# KiCad board OLD_PCB.kicad_pcb (continued)
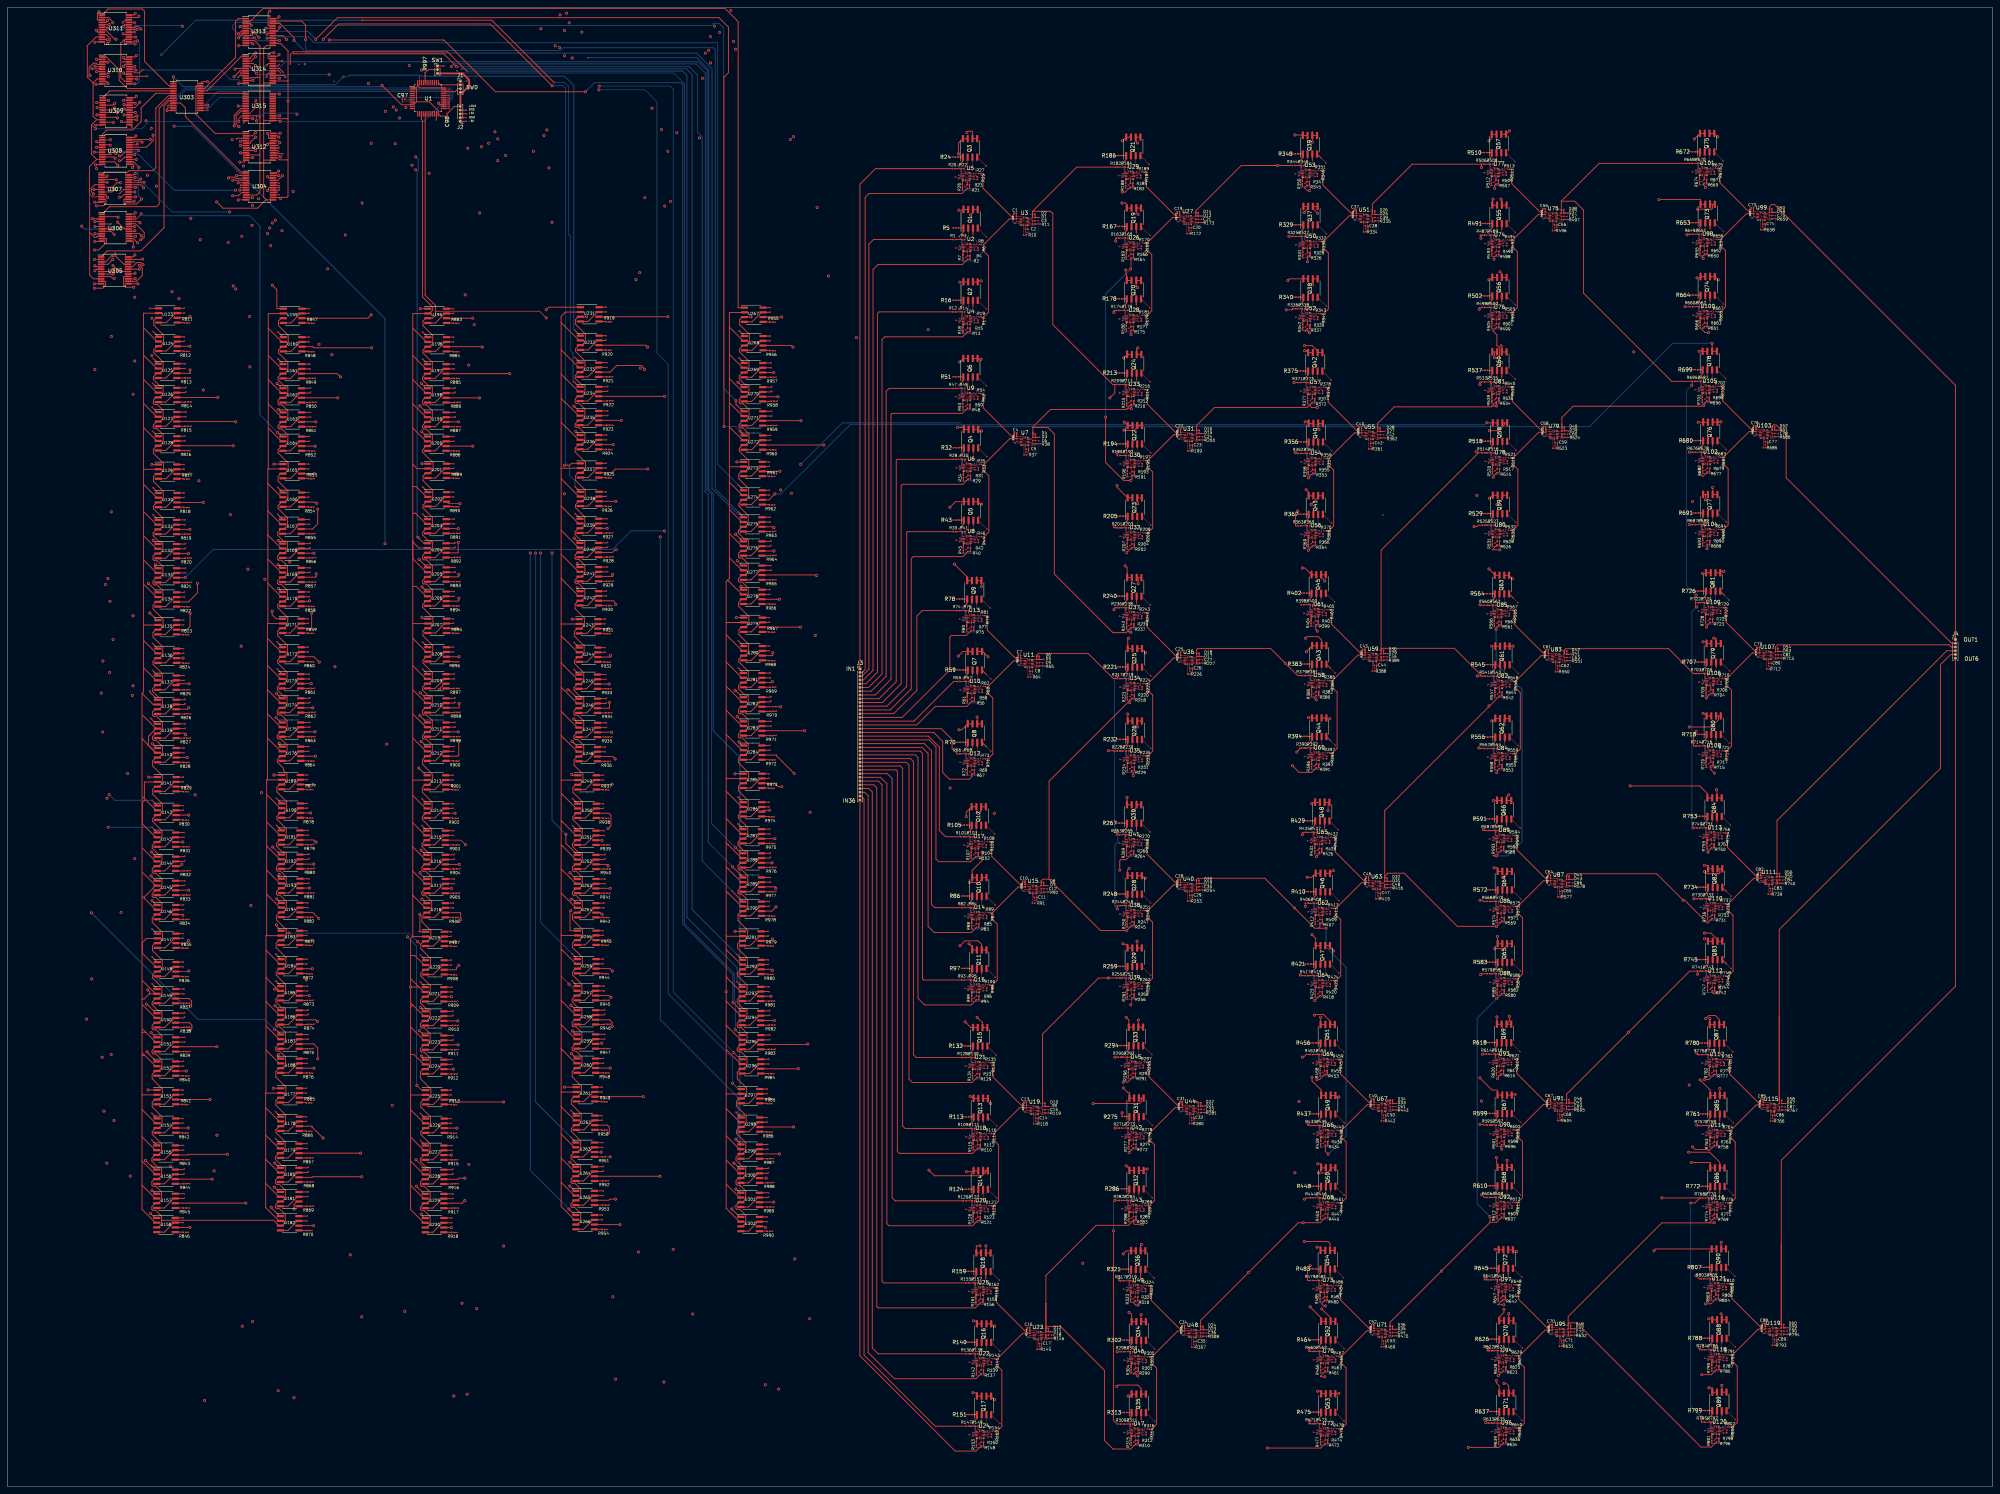
[diagram p0: board, top side]
## Nets (continued)
Net-(Q17B-G2): Q17.4 R150.2 U24.7
Net-(Q17B-S2): Q17.3 R152.2 U24.11
Net-(Q18A-G1): Q18.2 R157.2 U25.14
Net-(Q18A-S1): Q18.1 R159.2 U25.4
Net-(Q18B-G2): Q18.4 R158.2 U25.7
Net-(Q18B-S2): Q18.3 R160.2 U25.11
Net-(Q19A-G1): Q19.2 R165.2 U26.14
Net-(Q19A-S1): Q19.1 R167.2 U26.4
Net-(Q19B-G2): Q19.4 R166.2 U26.7
Net-(Q19B-S2): Q19.3 R168.2 U26.11
Net-(Q20A-G1): Q20.2 R176.2 U28.14
Net-(Q20A-S1): Q20.1 R178.2 U28.4
Net-(Q20B-G2): Q20.4 R177.2 U28.7
Net-(Q20B-S2): Q20.3 R179.2 U28.11
Net-(Q21A-G1): Q21.2 R184.2 U29.14
Net-(Q21A-S1): Q21.1 R186.2 U29.4
Net-(Q21B-G2): Q21.4 R185.2 U29.7
Net-(Q21B-S2): Q21.3 R187.2 U29.11
Net-(Q22A-G1): Q22.2 R192.2 U30.14
Net-(Q22A-S1): Q22.1 R194.2 U30.4
Net-(Q22B-G2): Q22.4 R193.2 U30.7
Net-(Q22B-S2): Q22.3 R195.2 U30.11
Net-(Q23A-G1): Q23.2 R203.2 U32.14
Net-(Q23A-S1): Q23.1 R205.2 U32.4
Net-(Q23B-G2): Q23.4 R204.2 U32.7
Net-(Q23B-S2): Q23.3 R206.2 U32.11
Net-(Q24A-G1): Q24.2 R211.2 U33.14
Net-(Q24A-S1): Q24.1 R213.2 U33.4
Net-(Q24B-G2): Q24.4 R212.2 U33.7
Net-(Q24B-S2): Q24.3 R214.2 U33.11
Net-(Q25A-G1): Q25.2 R219.2 U34.14
Net-(Q25A-S1): Q25.1 R221.2 U34.4
Net-(Q25B-G2): Q25.4 R220.2 U34.7
Net-(Q25B-S2): Q25.3 R222.2 U34.11
Net-(Q26A-G1): Q26.2 R230.2 U35.14
Net-(Q26A-S1): Q26.1 R232.2 U35.4
Net-(Q26B-G2): Q26.4 R231.2 U35.7
Net-(Q26B-S2): Q26.3 R233.2 U35.11
Net-(Q27A-G1): Q27.2 R238.2 U37.14
Net-(Q27A-S1): Q27.1 R240.2 U37.4
Net-(Q27B-G2): Q27.4 R239.2 U37.7
Net-(Q27B-S2): Q27.3 R241.2 U37.11
Net-(Q28A-G1): Q28.2 R246.2 U38.14
Net-(Q28A-S1): Q28.1 R248.2 U38.4
Net-(Q28B-G2): Q28.4 R247.2 U38.7
Net-(Q28B-S2): Q28.3 R249.2 U38.11
Net-(Q29A-G1): Q29.2 R257.2 U39.14
Net-(Q29A-S1): Q29.1 R259.2 U39.4
Net-(Q29B-G2): Q29.4 R258.2 U39.7
Net-(Q29B-S2): Q29.3 R260.2 U39.11
Net-(Q30A-G1): Q30.2 R265.2 U41.14
Net-(Q30A-S1): Q30.1 R267.2 U41.4
Net-(Q30B-G2): Q30.4 R266.2 U41.7
Net-(Q30B-S2): Q30.3 R268.2 U41.11
Net-(Q31A-G1): Q31.2 R273.2 U42.14
Net-(Q31A-S1): Q31.1 R275.2 U42.4
Net-(Q31B-G2): Q31.4 R274.2 U42.7
Net-(Q31B-S2): Q31.3 R276.2 U42.11
Net-(Q32A-G1): Q32.2 R284.2 U43.14
Net-(Q32A-S1): Q32.1 R286.2 U43.4
Net-(Q32B-G2): Q32.4 R285.2 U43.7
Net-(Q32B-S2): Q32.3 R287.2 U43.11
Net-(Q33A-G1): Q33.2 R292.2 U45.14
Net-(Q33A-S1): Q33.1 R294.2 U45.4
Net-(Q33B-G2): Q33.4 R293.2 U45.7
Net-(Q33B-S2): Q33.3 R295.2 U45.11
Net-(Q34A-G1): Q34.2 R300.2 U46.14
Net-(Q34A-S1): Q34.1 R302.2 U46.4
Net-(Q34B-G2): Q34.4 R301.2 U46.7
Net-(Q34B-S2): Q34.3 R303.2 U46.11
Net-(Q35A-G1): Q35.2 R311.2 U47.14
Net-(Q35A-S1): Q35.1 R313.2 U47.4
Net-(Q35B-G2): Q35.4 R312.2 U47.7
Net-(Q35B-S2): Q35.3 R314.2 U47.11
Net-(Q36A-G1): Q36.2 R319.2 U49.14
Net-(Q36A-S1): Q36.1 R321.2 U49.4
Net-(Q36B-G2): Q36.4 R320.2 U49.7
Net-(Q36B-S2): Q36.3 R322.2 U49.11
Net-(Q37A-G1): Q37.2 R327.2 U50.14
Net-(Q37A-S1): Q37.1 R329.2 U50.4
Net-(Q37B-G2): Q37.4 R328.2 U50.7
Net-(Q37B-S2): Q37.3 R330.2 U50.11
Net-(Q38A-G1): Q38.2 R338.2 U52.14
Net-(Q38A-S1): Q38.1 R340.2 U52.4
Net-(Q38B-G2): Q38.4 R339.2 U52.7
Net-(Q38B-S2): Q38.3 R341.2 U52.11
Net-(Q39A-G1): Q39.2 R346.2 U53.14
Net-(Q39A-S1): Q39.1 R348.2 U53.4
Net-(Q39B-G2): Q39.4 R347.2 U53.7
Net-(Q39B-S2): Q39.3 R349.2 U53.11
Net-(Q40A-G1): Q40.2 R354.2 U54.14
Net-(Q40A-S1): Q40.1 R356.2 U54.4
Net-(Q40B-G2): Q40.4 R355.2 U54.7
Net-(Q40B-S2): Q40.3 R357.2 U54.11
Net-(Q41A-G1): Q41.2 R365.2 U56.14
Net-(Q41A-S1): Q41.1 R367.2 U56.4
Net-(Q41B-G2): Q41.4 R366.2 U56.7
Net-(Q41B-S2): Q41.3 R368.2 U56.11
Net-(Q42A-G1): Q42.2 R373.2 U57.14
Net-(Q42A-S1): Q42.1 R375.2 U57.4
Net-(Q42B-G2): Q42.4 R374.2 U57.7
Net-(Q42B-S2): Q42.3 R376.2 U57.11
Net-(Q43A-G1): Q43.2 R381.2 U58.14
Net-(Q43A-S1): Q43.1 R383.2 U58.4
Net-(Q43B-G2): Q43.4 R382.2 U58.7
Net-(Q43B-S2): Q43.3 R384.2 U58.11
Net-(Q44A-G1): Q44.2 R392.2 U60.14
Net-(Q44A-S1): Q44.1 R394.2 U60.4
Net-(Q44B-G2): Q44.4 R393.2 U60.7
Net-(Q44B-S2): Q44.3 R395.2 U60.11
Net-(Q45A-G1): Q45.2 R400.2 U61.14
Net-(Q45A-S1): Q45.1 R402.2 U61.4
Net-(Q45B-G2): Q45.4 R401.2 U61.7
Net-(Q45B-S2): Q45.3 R403.2 U61.11
Net-(Q46A-G1): Q46.2 R408.2 U62.14
Net-(Q46A-S1): Q46.1 R410.2 U62.4
Net-(Q46B-G2): Q46.4 R409.2 U62.7
Net-(Q46B-S2): Q46.3 R411.2 U62.11
Net-(Q47A-G1): Q47.2 R419.2 U64.14
Net-(Q47A-S1): Q47.1 R421.2 U64.4
Net-(Q47B-G2): Q47.4 R420.2 U64.7
Net-(Q47B-S2): Q47.3 R422.2 U64.11
Net-(Q48A-G1): Q48.2 R427.2 U65.14
Net-(Q48A-S1): Q48.1 R429.2 U65.4
Net-(Q48B-G2): Q48.4 R428.2 U65.7
Net-(Q48B-S2): Q48.3 R430.2 U65.11
Net-(Q49A-G1): Q49.2 R435.2 U66.14
Net-(Q49A-S1): Q49.1 R437.2 U66.4
Net-(Q49B-G2): Q49.4 R436.2 U66.7
Net-(Q49B-S2): Q49.3 R438.2 U66.11
Net-(Q50A-G1): Q50.2 R446.2 U68.14
Net-(Q50A-S1): Q50.1 R448.2 U68.4
Net-(Q50B-G2): Q50.4 R447.2 U68.7
Net-(Q50B-S2): Q50.3 R449.2 U68.11
Net-(Q51A-G1): Q51.2 R454.2 U69.14
Net-(Q51A-S1): Q51.1 R456.2 U69.4
Net-(Q51B-G2): Q51.4 R455.2 U69.7
Net-(Q51B-S2): Q51.3 R457.2 U69.11
Net-(Q52A-G1): Q52.2 R462.2 U70.14
Net-(Q52A-S1): Q52.1 R464.2 U70.4
Net-(Q52B-G2): Q52.4 R463.2 U70.7
Net-(Q52B-S2): Q52.3 R465.2 U70.11
Net-(Q53A-G1): Q53.2 R473.2 U72.14
Net-(Q53A-S1): Q53.1 R475.2 U72.4
Net-(Q53B-G2): Q53.4 R474.2 U72.7
Net-(Q53B-S2): Q53.3 R476.2 U72.11
Net-(Q54A-G1): Q54.2 R481.2 U73.14
Net-(Q54A-S1): Q54.1 R483.2 U73.4
Net-(Q54B-G2): Q54.4 R482.2 U73.7
Net-(Q54B-S2): Q54.3 R484.2 U73.11
Net-(Q55A-G1): Q55.2 R489.2 U74.14
Net-(Q55A-S1): Q55.1 R491.2 U74.4
Net-(Q55B-G2): Q55.4 R490.2 U74.7
Net-(Q55B-S2): Q55.3 R492.2 U74.11
Net-(Q56A-G1): Q56.2 R500.2 U76.14
Net-(Q56A-S1): Q56.1 R502.2 U76.4
Net-(Q56B-G2): Q56.4 R501.2 U76.7
Net-(Q56B-S2): Q56.3 R503.2 U76.11
Net-(Q57A-G1): Q57.2 R508.2 U77.14
Net-(Q57A-S1): Q57.1 R510.2 U77.4
Net-(Q57B-G2): Q57.4 R509.2 U77.7
Net-(Q57B-S2): Q57.3 R511.2 U77.11
Net-(Q58A-G1): Q58.2 R516.2 U78.14
Net-(Q58A-S1): Q58.1 R518.2 U78.4
Net-(Q58B-G2): Q58.4 R517.2 U78.7
Net-(Q58B-S2): Q58.3 R519.2 U78.11
Net-(Q59A-G1): Q59.2 R527.2 U80.14
Net-(Q59A-S1): Q59.1 R529.2 U80.4
Net-(Q59B-G2): Q59.4 R528.2 U80.7
Net-(Q59B-S2): Q59.3 R530.2 U80.11
Net-(Q60A-G1): Q60.2 R535.2 U81.14
Net-(Q60A-S1): Q60.1 R537.2 U81.4
Net-(Q60B-G2): Q60.4 R536.2 U81.7
Net-(Q60B-S2): Q60.3 R538.2 U81.11
Net-(Q61A-G1): Q61.2 R543.2 U82.14
Net-(Q61A-S1): Q61.1 R545.2 U82.4
Net-(Q61B-G2): Q61.4 R544.2 U82.7
Net-(Q61B-S2): Q61.3 R546.2 U82.11
Net-(Q62A-G1): Q62.2 R554.2 U84.14
Net-(Q62A-S1): Q62.1 R556.2 U84.4
Net-(Q62B-G2): Q62.4 R555.2 U84.7
Net-(Q62B-S2): Q62.3 R557.2 U84.11
Net-(Q63A-G1): Q63.2 R562.2 U85.14
Net-(Q63A-S1): Q63.1 R564.2 U85.4
Net-(Q63B-G2): Q63.4 R563.2 U85.7
Net-(Q63B-S2): Q63.3 R565.2 U85.11
Net-(Q64A-G1): Q64.2 R570.2 U86.14
Net-(Q64A-S1): Q64.1 R572.2 U86.4
Net-(Q64B-G2): Q64.4 R571.2 U86.7
Net-(Q64B-S2): Q64.3 R573.2 U86.11
Net-(Q65A-G1): Q65.2 R581.2 U88.14
Net-(Q65A-S1): Q65.1 R583.2 U88.4
Net-(Q65B-G2): Q65.4 R582.2 U88.7
Net-(Q65B-S2): Q65.3 R584.2 U88.11
Net-(Q66A-G1): Q66.2 R589.2 U89.14
Net-(Q66A-S1): Q66.1 R591.2 U89.4
Net-(Q66B-G2): Q66.4 R590.2 U89.7
Net-(Q66B-S2): Q66.3 R592.2 U89.11
Net-(Q67A-G1): Q67.2 R597.2 U90.14
Net-(Q67A-S1): Q67.1 R599.2 U90.4
Net-(Q67B-G2): Q67.4 R598.2 U90.7
Net-(Q67B-S2): Q67.3 R600.2 U90.11
Net-(Q68A-G1): Q68.2 R608.2 U92.14
Net-(Q68A-S1): Q68.1 R610.2 U92.4
Net-(Q68B-G2): Q68.4 R609.2 U92.7
Net-(Q68B-S2): Q68.3 R611.2 U92.11
Net-(Q69A-G1): Q69.2 R616.2 U93.14
Net-(Q69A-S1): Q69.1 R618.2 U93.4
Net-(Q69B-G2): Q69.4 R617.2 U93.7
Net-(Q69B-S2): Q69.3 R619.2 U93.11
Net-(Q70A-G1): Q70.2 R624.2 U94.14
Net-(Q70A-S1): Q70.1 R626.2 U94.4
Net-(Q70B-G2): Q70.4 R625.2 U94.7
Net-(Q70B-S2): Q70.3 R627.2 U94.11
Net-(Q71A-G1): Q71.2 R635.2 U96.14
Net-(Q71A-S1): Q71.1 R637.2 U96.4
Net-(Q71B-G2): Q71.4 R636.2 U96.7
Net-(Q71B-S2): Q71.3 R638.2 U96.11
Net-(Q72A-G1): Q72.2 R643.2 U97.14
Net-(Q72A-S1): Q72.1 R645.2 U97.4
Net-(Q72B-G2): Q72.4 R644.2 U97.7
Net-(Q72B-S2): Q72.3 R646.2 U97.11
Net-(Q73A-G1): Q73.2 R651.2 U98.14
Net-(Q73A-S1): Q73.1 R653.2 U98.4
Net-(Q73B-G2): Q73.4 R652.2 U98.7
Net-(Q73B-S2): Q73.3 R654.2 U98.11
Net-(Q74A-G1): Q74.2 R662.2 U100.14
Net-(Q74A-S1): Q74.1 R664.2 U100.4
Net-(Q74B-G2): Q74.4 R663.2 U100.7
Net-(Q74B-S2): Q74.3 R665.2 U100.11
Net-(Q75A-G1): Q75.2 R670.2 U101.14
Net-(Q75A-S1): Q75.1 R672.2 U101.4
Net-(Q75B-G2): Q75.4 R671.2 U101.7
Net-(Q75B-S2): Q75.3 R673.2 U101.11
Net-(Q76A-G1): Q76.2 R678.2 U102.14
Net-(Q76A-S1): Q76.1 R680.2 U102.4
Net-(Q76B-G2): Q76.4 R679.2 U102.7
Net-(Q76B-S2): Q76.3 R681.2 U102.11
Net-(Q77A-G1): Q77.2 R689.2 U104.14
Net-(Q77A-S1): Q77.1 R691.2 U104.4
Net-(Q77B-G2): Q77.4 R690.2 U104.7
Net-(Q77B-S2): Q77.3 R692.2 U104.11
Net-(Q78A-G1): Q78.2 R697.2 U105.14
Net-(Q78A-S1): Q78.1 R699.2 U105.4
Net-(Q78B-G2): Q78.4 R698.2 U105.7
Net-(Q78B-S2): Q78.3 R700.2 U105.11
Net-(Q79A-G1): Q79.2 R705.2 U106.14
Net-(Q79A-S1): Q79.1 R707.2 U106.4
Net-(Q79B-G2): Q79.4 R706.2 U106.7
Net-(Q79B-S2): Q79.3 R708.2 U106.11
Net-(Q80A-G1): Q80.2 R716.2 U108.14
Net-(Q80A-S1): Q80.1 R718.2 U108.4
Net-(Q80B-G2): Q80.4 R717.2 U108.7
Net-(Q80B-S2): Q80.3 R719.2 U108.11
Net-(Q81A-G1): Q81.2 R724.2 U109.14
Net-(Q81A-S1): Q81.1 R726.2 U109.4
Net-(Q81B-G2): Q81.4 R725.2 U109.7
Net-(Q81B-S2): Q81.3 R727.2 U109.11
Net-(Q82A-G1): Q82.2 R732.2 U110.14
Net-(Q82A-S1): Q82.1 R734.2 U110.4
Net-(Q82B-G2): Q82.4 R733.2 U110.7
Net-(Q82B-S2): Q82.3 R735.2 U110.11
Net-(Q83A-G1): Q83.2 R743.2 U112.14
Net-(Q83A-S1): Q83.1 R745.2 U112.4
Net-(Q83B-G2): Q83.4 R744.2 U112.7
Net-(Q83B-S2): Q83.3 R746.2 U112.11
Net-(Q84A-G1): Q84.2 R751.2 U113.14
Net-(Q84A-S1): Q84.1 R753.2 U113.4
Net-(Q84B-G2): Q84.4 R752.2 U113.7
Net-(Q84B-S2): Q84.3 R754.2 U113.11
Net-(Q85A-G1): Q85.2 R759.2 U114.14
Net-(Q85A-S1): Q85.1 R761.2 U114.4
Net-(Q85B-G2): Q85.4 R760.2 U114.7
Net-(Q85B-S2): Q85.3 R762.2 U114.11
Net-(Q86A-G1): Q86.2 R770.2 U116.14
Net-(Q86A-S1): Q86.1 R772.2 U116.4
Net-(Q86B-G2): Q86.4 R771.2 U116.7
Net-(Q86B-S2): Q86.3 R773.2 U116.11
Net-(Q87A-G1): Q87.2 R778.2 U117.14
Net-(Q87A-S1): Q87.1 R780.2 U117.4
Net-(Q87B-G2): Q87.4 R779.2 U117.7
Net-(Q87B-S2): Q87.3 R781.2 U117.11
Net-(Q88A-G1): Q88.2 R786.2 U118.14
Net-(Q88A-S1): Q88.1 R788.2 U118.4
Net-(Q88B-G2): Q88.4 R787.2 U118.7
Net-(Q88B-S2): Q88.3 R789.2 U118.11
Net-(Q89A-G1): Q89.2 R797.2 U120.14
Net-(Q89A-S1): Q89.1 R799.2 U120.4
Net-(Q89B-G2): Q89.4 R798.2 U120.7
Net-(Q89B-S2): Q89.3 R800.2 U120.11
Net-(Q90A-G1): Q90.2 R805.2 U121.14
Net-(Q90A-S1): Q90.1 R807.2 U121.4
Net-(Q90B-G2): Q90.4 R806.2 U121.7
Net-(Q90B-S2): Q90.3 R808.2 U121.11
Net-(SW1-B): R997.2 SW1.2
Net-(U1-BOOT0): R997.1 U1.44
Net-(U1-VDD): C98.1 U1.1 U1.9 U1.24 U1.36 U1.48
Net-(U2A--): R1.2 R3.1 U2.1
Net-(U2B--): R7.1 U2.5 U2.6
Net-(U2C--): R2.2 R4.1 U2.8
Net-(U2D--): R8.1 U2.12 U2.13
Net-(U3B-+): C1.2 U3.4
Net-(U3B--): R10.1 U3.5 U3.6
Net-(U3C--): C2.1 R10.2 U3.8
Net-(U3D-+): C3.2 R11.1 U3.11
Net-(U4A--): R12.2 R14.1 U4.1
Net-(U4B--): R18.1 U4.5 U4.6
Net-(U4C--): R13.2 R15.1 U4.8
Net-(U4D--): R19.1 U4.12 U4.13
Net-(U5A--): R20.2 R22.1 U5.1
Net-(U5B--): R26.1 U5.5 U5.6
Net-(U5C--): R21.2 R23.1 U5.8
Net-(U5D--): R27.1 U5.12 U5.13
Net-(U6A--): R28.2 R30.1 U6.1
Net-(U6B--): R34.1 U6.5 U6.6
Net-(U6C--): R29.2 R31.1 U6.8
Net-(U6D--): R35.1 U6.12 U6.13
Net-(U7B-+): C4.2 U7.4
Net-(U7B--): R37.1 U7.5 U7.6
Net-(U7C--): C5.1 R37.2 U7.8
Net-(U7D-+): C6.2 R38.1 U7.11
Net-(U8A--): R39.2 R41.1 U8.1
Net-(U8B--): R45.1 U8.5 U8.6
Net-(U8C--): R40.2 R42.1 U8.8
Net-(U8D--): R46.1 U8.12 U8.13
Net-(U9A--): R47.2 R49.1 U9.1
Net-(U9B--): R53.1 U9.5 U9.6
Net-(U9C--): R48.2 R50.1 U9.8
Net-(U9D--): R54.1 U9.12 U9.13
Net-(U10A--): R55.2 R57.1 U10.1
Net-(U10B--): R61.1 U10.5 U10.6
Net-(U10C--): R56.2 R58.1 U10.8
Net-(U10D--): R62.1 U10.12 U10.13
Net-(U11B-+): C7.2 U11.4
Net-(U11B--): R64.1 U11.5 U11.6
Net-(U11C--): C8.1 R64.2 U11.8
Net-(U11D-+): C9.2 R65.1 U11.11
Net-(U12A--): R66.2 R68.1 U12.1
Net-(U12B--): R72.1 U12.5 U12.6
Net-(U12C--): R67.2 R69.1 U12.8
Net-(U12D--): R73.1 U12.12 U12.13
Net-(U13A--): R74.2 R76.1 U13.1
Net-(U13B--): R80.1 U13.5 U13.6
Net-(U13C--): R75.2 R77.1 U13.8
Net-(U13D--): R81.1 U13.12 U13.13
Net-(U14A--): R82.2 R84.1 U14.1
Net-(U14B--): R88.1 U14.5 U14.6
Net-(U14C--): R83.2 R85.1 U14.8
Net-(U14D--): R89.1 U14.12 U14.13
Net-(U15B-+): C10.2 U15.4
Net-(U15B--): R91.1 U15.5 U15.6
Net-(U15C--): C11.1 R91.2 U15.8
Net-(U15D-+): C12.2 R92.1 U15.11
Net-(U16A--): R93.2 R95.1 U16.1
Net-(U16B--): R99.1 U16.5 U16.6
Net-(U16C--): R94.2 R96.1 U16.8
Net-(U16D--): R100.1 U16.12 U16.13
Net-(U17A--): R101.2 R103.1 U17.1
Net-(U17B--): R107.1 U17.5 U17.6
Net-(U17C--): R102.2 R104.1 U17.8
Net-(U17D--): R108.1 U17.12 U17.13
Net-(U18A--): R109.2 R111.1 U18.1
Net-(U18B--): R115.1 U18.5 U18.6
Net-(U18C--): R110.2 R112.1 U18.8
Net-(U18D--): R116.1 U18.12 U18.13
Net-(U19B-+): C13.2 U19.4
Net-(U19B--): R118.1 U19.5 U19.6
Net-(U19C--): C14.1 R118.2 U19.8
Net-(U19D-+): C15.2 R119.1 U19.11
Net-(U20A--): R120.2 R122.1 U20.1
Net-(U20B--): R126.1 U20.5 U20.6
Net-(U20C--): R121.2 R123.1 U20.8
Net-(U20D--): R127.1 U20.12 U20.13
Net-(U21A--): R128.2 R130.1 U21.1
Net-(U21B--): R134.1 U21.5 U21.6
Net-(U21C--): R129.2 R131.1 U21.8
Net-(U21D--): R135.1 U21.12 U21.13
Net-(U22A--): R136.2 R138.1 U22.1
Net-(U22B--): R142.1 U22.5 U22.6
Net-(U22C--): R137.2 R139.1 U22.8
Net-(U22D--): R143.1 U22.12 U22.13
Net-(U23B-+): C16.2 U23.4
Net-(U23B--): R145.1 U23.5 U23.6
Net-(U23C--): C17.1 R145.2 U23.8
Net-(U23D-+): C18.2 R146.1 U23.11
Net-(U24A--): R147.2 R149.1 U24.1
Net-(U24B--): R153.1 U24.5 U24.6
Net-(U24C--): R148.2 R150.1 U24.8
Net-(U24D--): R154.1 U24.12 U24.13
Net-(U25A--): R155.2 R157.1 U25.1
Net-(U25B--): R161.1 U25.5 U25.6
Net-(U25C--): R156.2 R158.1 U25.8
Net-(U25D--): R162.1 U25.12 U25.13
Net-(U26A--): R163.2 R165.1 U26.1
Net-(U26B--): R169.1 U26.5 U26.6
Net-(U26C--): R164.2 R166.1 U26.8
Net-(U26D--): R170.1 U26.12 U26.13
Net-(U27B-+): C19.2 U27.4
Net-(U27B--): R172.1 U27.5 U27.6
Net-(U27C--): C20.1 R172.2 U27.8
Net-(U27D-+): C21.2 R173.1 U27.11
Net-(U28A--): R174.2 R176.1 U28.1
Net-(U28B--): R180.1 U28.5 U28.6
Net-(U28C--): R175.2 R177.1 U28.8
Net-(U28D--): R181.1 U28.12 U28.13
Net-(U29A--): R182.2 R184.1 U29.1
Net-(U29B--): R188.1 U29.5 U29.6
Net-(U29C--): R183.2 R185.1 U29.8
Net-(U29D--): R189.1 U29.12 U29.13
Net-(U30A--): R190.2 R192.1 U30.1
Net-(U30B--): R196.1 U30.5 U30.6
Net-(U30C--): R191.2 R193.1 U30.8
Net-(U30D--): R197.1 U30.12 U30.13
Net-(U31B-+): C22.2 U31.4
Net-(U31B--): R199.1 U31.5 U31.6
Net-(U31C--): C23.1 R199.2 U31.8
Net-(U31D-+): C24.2 R200.1 U31.11
Net-(U32A--): R201.2 R203.1 U32.1
Net-(U32B--): R207.1 U32.5 U32.6
Net-(U32C--): R202.2 R204.1 U32.8
Net-(U32D--): R208.1 U32.12 U32.13
Net-(U33A--): R209.2 R211.1 U33.1
Net-(U33B--): R215.1 U33.5 U33.6
Net-(U33C--): R210.2 R212.1 U33.8
Net-(U33D--): R216.1 U33.12 U33.13
Net-(U34A--): R217.2 R219.1 U34.1
Net-(U34B--): R223.1 U34.5 U34.6
Net-(U34C--): R218.2 R220.1 U34.8
Net-(U34D--): R224.1 U34.12 U34.13
Net-(U35A--): R228.2 R230.1 U35.1
Net-(U35B--): R234.1 U35.5 U35.6
Net-(U35C--): R229.2 R231.1 U35.8
Net-(U35D--): R235.1 U35.12 U35.13
Net-(U36B-+): C25.2 U36.4
Net-(U36B--): R226.1 U36.5 U36.6
Net-(U36C--): C26.1 R226.2 U36.8
Net-(U36D-+): C27.2 R227.1 U36.11
Net-(U37A--): R236.2 R238.1 U37.1
Net-(U37B--): R242.1 U37.5 U37.6
Net-(U37C--): R237.2 R239.1 U37.8
Net-(U37D--): R243.1 U37.12 U37.13
Net-(U38A--): R244.2 R246.1 U38.1
Net-(U38B--): R250.1 U38.5 U38.6
Net-(U38C--): R245.2 R247.1 U38.8
Net-(U38D--): R251.1 U38.12 U38.13
Net-(U39A--): R255.2 R257.1 U39.1
Net-(U39B--): R261.1 U39.5 U39.6
Net-(U39C--): R256.2 R258.1 U39.8
Net-(U39D--): R262.1 U39.12 U39.13
Net-(U40B-+): C28.2 U40.4
Net-(U40B--): R253.1 U40.5 U40.6
Net-(U40C--): C29.1 R253.2 U40.8
Net-(U40D-+): C30.2 R254.1 U40.11
Net-(U41A--): R263.2 R265.1 U41.1
Net-(U41B--): R269.1 U41.5 U41.6
Net-(U41C--): R264.2 R266.1 U41.8
Net-(U41D--): R270.1 U41.12 U41.13
Net-(U42A--): R271.2 R273.1 U42.1
Net-(U42B--): R277.1 U42.5 U42.6
Net-(U42C--): R272.2 R274.1 U42.8
Net-(U42D--): R278.1 U42.12 U42.13
Net-(U43A--): R282.2 R284.1 U43.1
Net-(U43B--): R288.1 U43.5 U43.6
Net-(U43C--): R283.2 R285.1 U43.8
Net-(U43D--): R289.1 U43.12 U43.13
Net-(U44B-+): C31.2 U44.4
Net-(U44B--): R280.1 U44.5 U44.6
Net-(U44C--): C32.1 R280.2 U44.8
Net-(U44D-+): C33.2 R281.1 U44.11
Net-(U45A--): R290.2 R292.1 U45.1
Net-(U45B--): R296.1 U45.5 U45.6
Net-(U45C--): R291.2 R293.1 U45.8
Net-(U45D--): R297.1 U45.12 U45.13
Net-(U46A--): R298.2 R300.1 U46.1
Net-(U46B--): R304.1 U46.5 U46.6
Net-(U46C--): R299.2 R301.1 U46.8
Net-(U46D--): R305.1 U46.12 U46.13
Net-(U47A--): R309.2 R311.1 U47.1
Net-(U47B--): R315.1 U47.5 U47.6
Net-(U47C--): R310.2 R312.1 U47.8
Net-(U47D--): R316.1 U47.12 U47.13
Net-(U48B-+): C34.2 U48.4
Net-(U48B--): R307.1 U48.5 U48.6
Net-(U48C--): C35.1 R307.2 U48.8
Net-(U48D-+): C36.2 R308.1 U48.11
Net-(U49A--): R317.2 R319.1 U49.1
Net-(U49B--): R323.1 U49.5 U49.6
Net-(U49C--): R318.2 R320.1 U49.8
Net-(U49D--): R324.1 U49.12 U49.13
Net-(U50A--): R325.2 R327.1 U50.1
Net-(U50B--): R331.1 U50.5 U50.6
Net-(U50C--): R326.2 R328.1 U50.8
Net-(U50D--): R332.1 U50.12 U50.13
Net-(U51B-+): C37.2 U51.4
Net-(U51B--): R334.1 U51.5 U51.6
Net-(U51C--): C38.1 R334.2 U51.8
Net-(U51D-+): C39.2 R335.1 U51.11
Net-(U52A--): R336.2 R338.1 U52.1
Net-(U52B--): R342.1 U52.5 U52.6
Net-(U52C--): R337.2 R339.1 U52.8
Net-(U52D--): R343.1 U52.12 U52.13
Net-(U53A--): R344.2 R346.1 U53.1
Net-(U53B--): R350.1 U53.5 U53.6
Net-(U53C--): R345.2 R347.1 U53.8
Net-(U53D--): R351.1 U53.12 U53.13
Net-(U54A--): R352.2 R354.1 U54.1
Net-(U54B--): R358.1 U54.5 U54.6
Net-(U54C--): R353.2 R355.1 U54.8
Net-(U54D--): R359.1 U54.12 U54.13
Net-(U55B-+): C40.2 U55.4
Net-(U55B--): R361.1 U55.5 U55.6
Net-(U55C--): C41.1 R361.2 U55.8
Net-(U55D-+): C42.2 R362.1 U55.11
Net-(U56A--): R363.2 R365.1 U56.1
Net-(U56B--): R369.1 U56.5 U56.6
Net-(U56C--): R364.2 R366.1 U56.8
Net-(U56D--): R370.1 U56.12 U56.13
Net-(U57A--): R371.2 R373.1 U57.1
Net-(U57B--): R377.1 U57.5 U57.6
Net-(U57C--): R372.2 R374.1 U57.8
Net-(U57D--): R378.1 U57.12 U57.13
Net-(U58A--): R379.2 R381.1 U58.1
Net-(U58B--): R385.1 U58.5 U58.6
Net-(U58C--): R380.2 R382.1 U58.8
Net-(U58D--): R386.1 U58.12 U58.13
Net-(U59B-+): C43.2 U59.4
Net-(U59B--): R388.1 U59.5 U59.6
Net-(U59C--): C44.1 R388.2 U59.8
Net-(U59D-+): C45.2 R389.1 U59.11
Net-(U60A--): R390.2 R392.1 U60.1
Net-(U60B--): R396.1 U60.5 U60.6
Net-(U60C--): R391.2 R393.1 U60.8
Net-(U60D--): R397.1 U60.12 U60.13
Net-(U61A--): R398.2 R400.1 U61.1
Net-(U61B--): R404.1 U61.5 U61.6
Net-(U61C--): R399.2 R401.1 U61.8
Net-(U61D--): R405.1 U61.12 U61.13
Net-(U62A--): R406.2 R408.1 U62.1
Net-(U62B--): R412.1 U62.5 U62.6
Net-(U62C--): R407.2 R409.1 U62.8
Net-(U62D--): R413.1 U62.12 U62.13
Net-(U63B-+): C46.2 U63.4
Net-(U63B--): R415.1 U63.5 U63.6
Net-(U63C--): C47.1 R415.2 U63.8
Net-(U63D-+): C48.2 R416.1 U63.11
Net-(U64A--): R417.2 R419.1 U64.1
Net-(U64B--): R423.1 U64.5 U64.6
Net-(U64C--): R418.2 R420.1 U64.8
Net-(U64D--): R424.1 U64.12 U64.13
Net-(U65A--): R425.2 R427.1 U65.1
Net-(U65B--): R431.1 U65.5 U65.6
Net-(U65C--): R426.2 R428.1 U65.8
Net-(U65D--): R432.1 U65.12 U65.13
Net-(U66A--): R433.2 R435.1 U66.1
Net-(U66B--): R439.1 U66.5 U66.6
Net-(U66C--): R434.2 R436.1 U66.8
Net-(U66D--): R440.1 U66.12 U66.13
Net-(U67B-+): C49.2 U67.4
Net-(U67B--): R442.1 U67.5 U67.6
Net-(U67C--): C50.1 R442.2 U67.8
Net-(U67D-+): C51.2 R443.1 U67.11
Net-(U68A--): R444.2 R446.1 U68.1
Net-(U68B--): R450.1 U68.5 U68.6
Net-(U68C--): R445.2 R447.1 U68.8
Net-(U68D--): R451.1 U68.12 U68.13
Net-(U69A--): R452.2 R454.1 U69.1
Net-(U69B--): R458.1 U69.5 U69.6
Net-(U69C--): R453.2 R455.1 U69.8
Net-(U69D--): R459.1 U69.12 U69.13
Net-(U70A--): R460.2 R462.1 U70.1
Net-(U70B--): R466.1 U70.5 U70.6
Net-(U70C--): R461.2 R463.1 U70.8
Net-(U70D--): R467.1 U70.12 U70.13
Net-(U71B-+): C52.2 U71.4
Net-(U71B--): R469.1 U71.5 U71.6
Net-(U71C--): C53.1 R469.2 U71.8
Net-(U71D-+): C54.2 R470.1 U71.11
Net-(U72A--): R471.2 R473.1 U72.1
Net-(U72B--): R477.1 U72.5 U72.6
Net-(U72C--): R472.2 R474.1 U72.8
Net-(U72D--): R478.1 U72.12 U72.13
Net-(U73A--): R479.2 R481.1 U73.1
Net-(U73B--): R485.1 U73.5 U73.6
Net-(U73C--): R480.2 R482.1 U73.8
Net-(U73D--): R486.1 U73.12 U73.13
Net-(U74A--): R487.2 R489.1 U74.1
Net-(U74B--): R493.1 U74.5 U74.6
Net-(U74C--): R488.2 R490.1 U74.8
Net-(U74D--): R494.1 U74.12 U74.13
Net-(U75B-+): C55.2 U75.4
Net-(U75B--): R496.1 U75.5 U75.6
Net-(U75C--): C56.1 R496.2 U75.8
Net-(U75D-+): C57.2 R497.1 U75.11
Net-(U76A--): R498.2 R500.1 U76.1
Net-(U76B--): R504.1 U76.5 U76.6
Net-(U76C--): R499.2 R501.1 U76.8
Net-(U76D--): R505.1 U76.12 U76.13
Net-(U77A--): R506.2 R508.1 U77.1
Net-(U77B--): R512.1 U77.5 U77.6
Net-(U77C--): R507.2 R509.1 U77.8
Net-(U77D--): R513.1 U77.12 U77.13
Net-(U78A--): R514.2 R516.1 U78.1
Net-(U78B--): R520.1 U78.5 U78.6
Net-(U78C--): R515.2 R517.1 U78.8
Net-(U78D--): R521.1 U78.12 U78.13
Net-(U79B-+): C58.2 U79.4
Net-(U79B--): R523.1 U79.5 U79.6
Net-(U79C--): C59.1 R523.2 U79.8
Net-(U79D-+): C60.2 R524.1 U79.11
Net-(U80A--): R525.2 R527.1 U80.1
Net-(U80B--): R531.1 U80.5 U80.6
Net-(U80C--): R526.2 R528.1 U80.8
Net-(U80D--): R532.1 U80.12 U80.13
Net-(U81A--): R533.2 R535.1 U81.1
Net-(U81B--): R539.1 U81.5 U81.6
Net-(U81C--): R534.2 R536.1 U81.8
Net-(U81D--): R540.1 U81.12 U81.13
Net-(U82A--): R541.2 R543.1 U82.1
Net-(U82B--): R547.1 U82.5 U82.6
Net-(U82C--): R542.2 R544.1 U82.8
Net-(U82D--): R548.1 U82.12 U82.13
Net-(U83B-+): C61.2 U83.4
Net-(U83B--): R550.1 U83.5 U83.6
Net-(U83C--): C62.1 R550.2 U83.8
Net-(U83D-+): C63.2 R551.1 U83.11
Net-(U84A--): R552.2 R554.1 U84.1
Net-(U84B--): R558.1 U84.5 U84.6
Net-(U84C--): R553.2 R555.1 U84.8
Net-(U84D--): R559.1 U84.12 U84.13
Net-(U85A--): R560.2 R562.1 U85.1
Net-(U85B--): R566.1 U85.5 U85.6
Net-(U85C--): R561.2 R563.1 U85.8
Net-(U85D--): R567.1 U85.12 U85.13
Net-(U86A--): R568.2 R570.1 U86.1
Net-(U86B--): R574.1 U86.5 U86.6
Net-(U86C--): R569.2 R571.1 U86.8
Net-(U86D--): R575.1 U86.12 U86.13
Net-(U87B-+): C64.2 U87.4
Net-(U87B--): R577.1 U87.5 U87.6
Net-(U87C--): C65.1 R577.2 U87.8
Net-(U87D-+): C66.2 R578.1 U87.11
Net-(U88A--): R579.2 R581.1 U88.1
Net-(U88B--): R585.1 U88.5 U88.6
Net-(U88C--): R580.2 R582.1 U88.8
Net-(U88D--): R586.1 U88.12 U88.13
Net-(U89A--): R587.2 R589.1 U89.1
Net-(U89B--): R593.1 U89.5 U89.6
Net-(U89C--): R588.2 R590.1 U89.8
Net-(U89D--): R594.1 U89.12 U89.13
Net-(U90A--): R595.2 R597.1 U90.1
Net-(U90B--): R601.1 U90.5 U90.6
Net-(U90C--): R596.2 R598.1 U90.8
Net-(U90D--): R602.1 U90.12 U90.13
Net-(U91B-+): C67.2 U91.4
Net-(U91B--): R604.1 U91.5 U91.6
Net-(U91C--): C68.1 R604.2 U91.8
Net-(U91D-+): C69.2 R605.1 U91.11
Net-(U92A--): R606.2 R608.1 U92.1
Net-(U92B--): R612.1 U92.5 U92.6
Net-(U92C--): R607.2 R609.1 U92.8
Net-(U92D--): R613.1 U92.12 U92.13
Net-(U93A--): R614.2 R616.1 U93.1
Net-(U93B--): R620.1 U93.5 U93.6
Net-(U93C--): R615.2 R617.1 U93.8
Net-(U93D--): R621.1 U93.12 U93.13
Net-(U94A--): R622.2 R624.1 U94.1
Net-(U94B--): R628.1 U94.5 U94.6
Net-(U94C--): R623.2 R625.1 U94.8
Net-(U94D--): R629.1 U94.12 U94.13
Net-(U95B-+): C70.2 U95.4
Net-(U95B--): R631.1 U95.5 U95.6
Net-(U95C--): C71.1 R631.2 U95.8
Net-(U95D-+): C72.2 R632.1 U95.11
Net-(U96A--): R633.2 R635.1 U96.1
Net-(U96B--): R639.1 U96.5 U96.6
Net-(U96C--): R634.2 R636.1 U96.8
Net-(U96D--): R640.1 U96.12 U96.13
Net-(U97A--): R641.2 R643.1 U97.1
Net-(U97B--): R647.1 U97.5 U97.6
Net-(U97C--): R642.2 R644.1 U97.8
Net-(U97D--): R648.1 U97.12 U97.13
Net-(U98A--): R649.2 R651.1 U98.1
Net-(U98B--): R655.1 U98.5 U98.6
Net-(U98C--): R650.2 R652.1 U98.8
Net-(U98D--): R656.1 U98.12 U98.13
Net-(U99B-+): C73.2 U99.4
Net-(U99B--): R658.1 U99.5 U99.6
Net-(U99C--): C74.1 R658.2 U99.8
Net-(U99D-+): C75.2 R659.1 U99.11
Net-(U100A--): R660.2 R662.1 U100.1
Net-(U100B--): R666.1 U100.5 U100.6
Net-(U100C--): R661.2 R663.1 U100.8
Net-(U100D--): R667.1 U100.12 U100.13
Net-(U101A--): R668.2 R670.1 U101.1
Net-(U101B--): R674.1 U101.5 U101.6
Net-(U101C--): R669.2 R671.1 U101.8
Net-(U101D--): R675.1 U101.12 U101.13
Net-(U102A--): R676.2 R678.1 U102.1
Net-(U102B--): R682.1 U102.5 U102.6
Net-(U102C--): R677.2 R679.1 U102.8
Net-(U102D--): R683.1 U102.12 U102.13
Net-(U103B-+): C76.2 U103.4
Net-(U103B--): R685.1 U103.5 U103.6
Net-(U103C--): C77.1 R685.2 U103.8
Net-(U103D-+): C78.2 R686.1 U103.11
Net-(U104A--): R687.2 R689.1 U104.1
Net-(U104B--): R693.1 U104.5 U104.6
Net-(U104C--): R688.2 R690.1 U104.8
Net-(U104D--): R694.1 U104.12 U104.13
Net-(U105A--): R695.2 R697.1 U105.1
Net-(U105B--): R701.1 U105.5 U105.6
Net-(U105C--): R696.2 R698.1 U105.8
Net-(U105D--): R702.1 U105.12 U105.13
Net-(U106A--): R703.2 R705.1 U106.1
Net-(U106B--): R709.1 U106.5 U106.6
Net-(U106C--): R704.2 R706.1 U106.8
Net-(U106D--): R710.1 U106.12 U106.13
Net-(U107B-+): C79.2 U107.4
Net-(U107B--): R712.1 U107.5 U107.6
Net-(U107C--): C80.1 R712.2 U107.8
Net-(U107D-+): C81.2 R713.1 U107.11
Net-(U108A--): R714.2 R716.1 U108.1
Net-(U108B--): R720.1 U108.5 U108.6
Net-(U108C--): R715.2 R717.1 U108.8
Net-(U108D--): R721.1 U108.12 U108.13
Net-(U109A--): R722.2 R724.1 U109.1
Net-(U109B--): R728.1 U109.5 U109.6
Net-(U109C--): R723.2 R725.1 U109.8
Net-(U109D--): R729.1 U109.12 U109.13
Net-(U110A--): R730.2 R732.1 U110.1
Net-(U110B--): R736.1 U110.5 U110.6
Net-(U110C--): R731.2 R733.1 U110.8
Net-(U110D--): R737.1 U110.12 U110.13
Net-(U111B-+): C82.2 U111.4
Net-(U111B--): R739.1 U111.5 U111.6
Net-(U111C--): C83.1 R739.2 U111.8
Net-(U111D-+): C84.2 R740.1 U111.11
Net-(U112A--): R741.2 R743.1 U112.1
